# Altium PCB Audio_EDU_Mini_Rev1_0.PcbDoc (part 1 of 2)
Units mil, origin at the board's own origin, x right, y up, seen from the top; angles counter-clockwise.
Board outline 2027 x 2700 mil, 4 copper layers (Top Layer, Signal Layer 1, Signal Layer 2, Bottom Layer), stack 64.6 mil thick; 134 components, 88 nets, 470 pads, 185 vias.
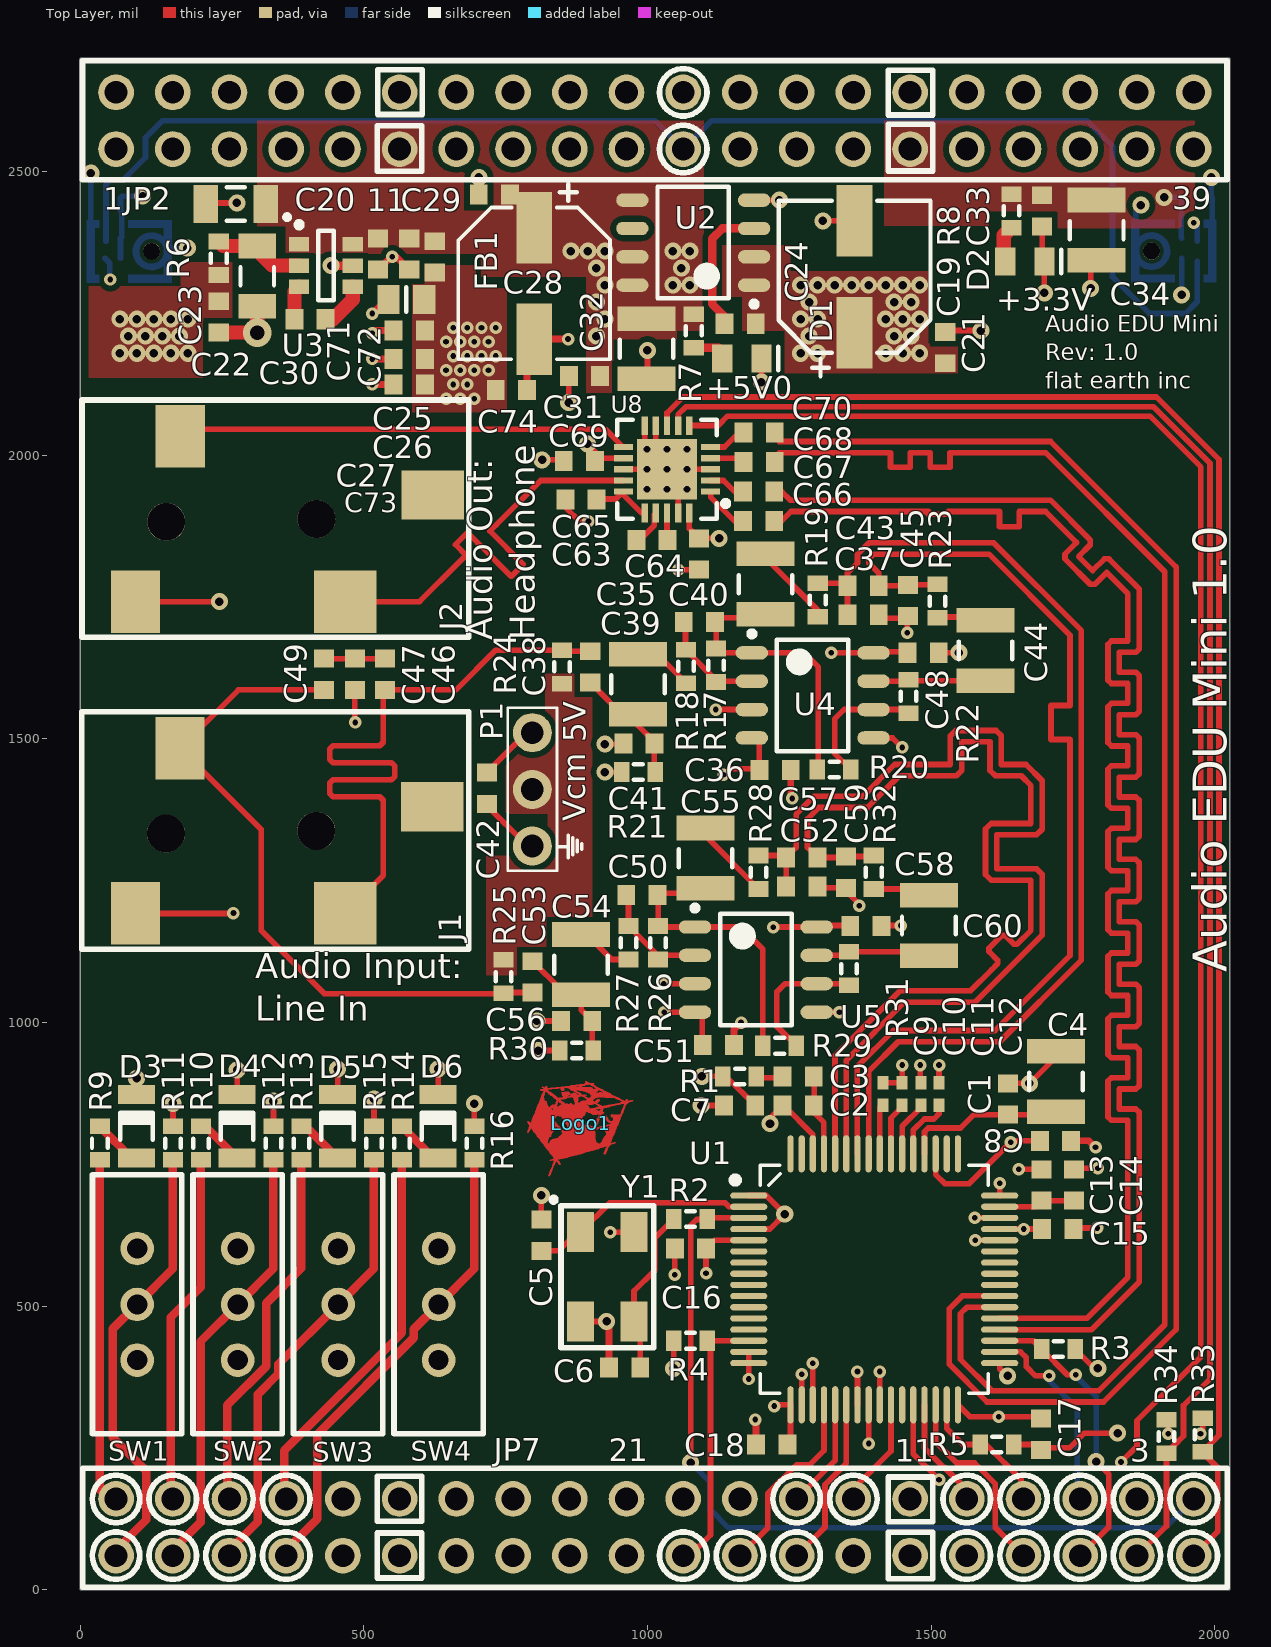
[diagram p0: Top Layer view]
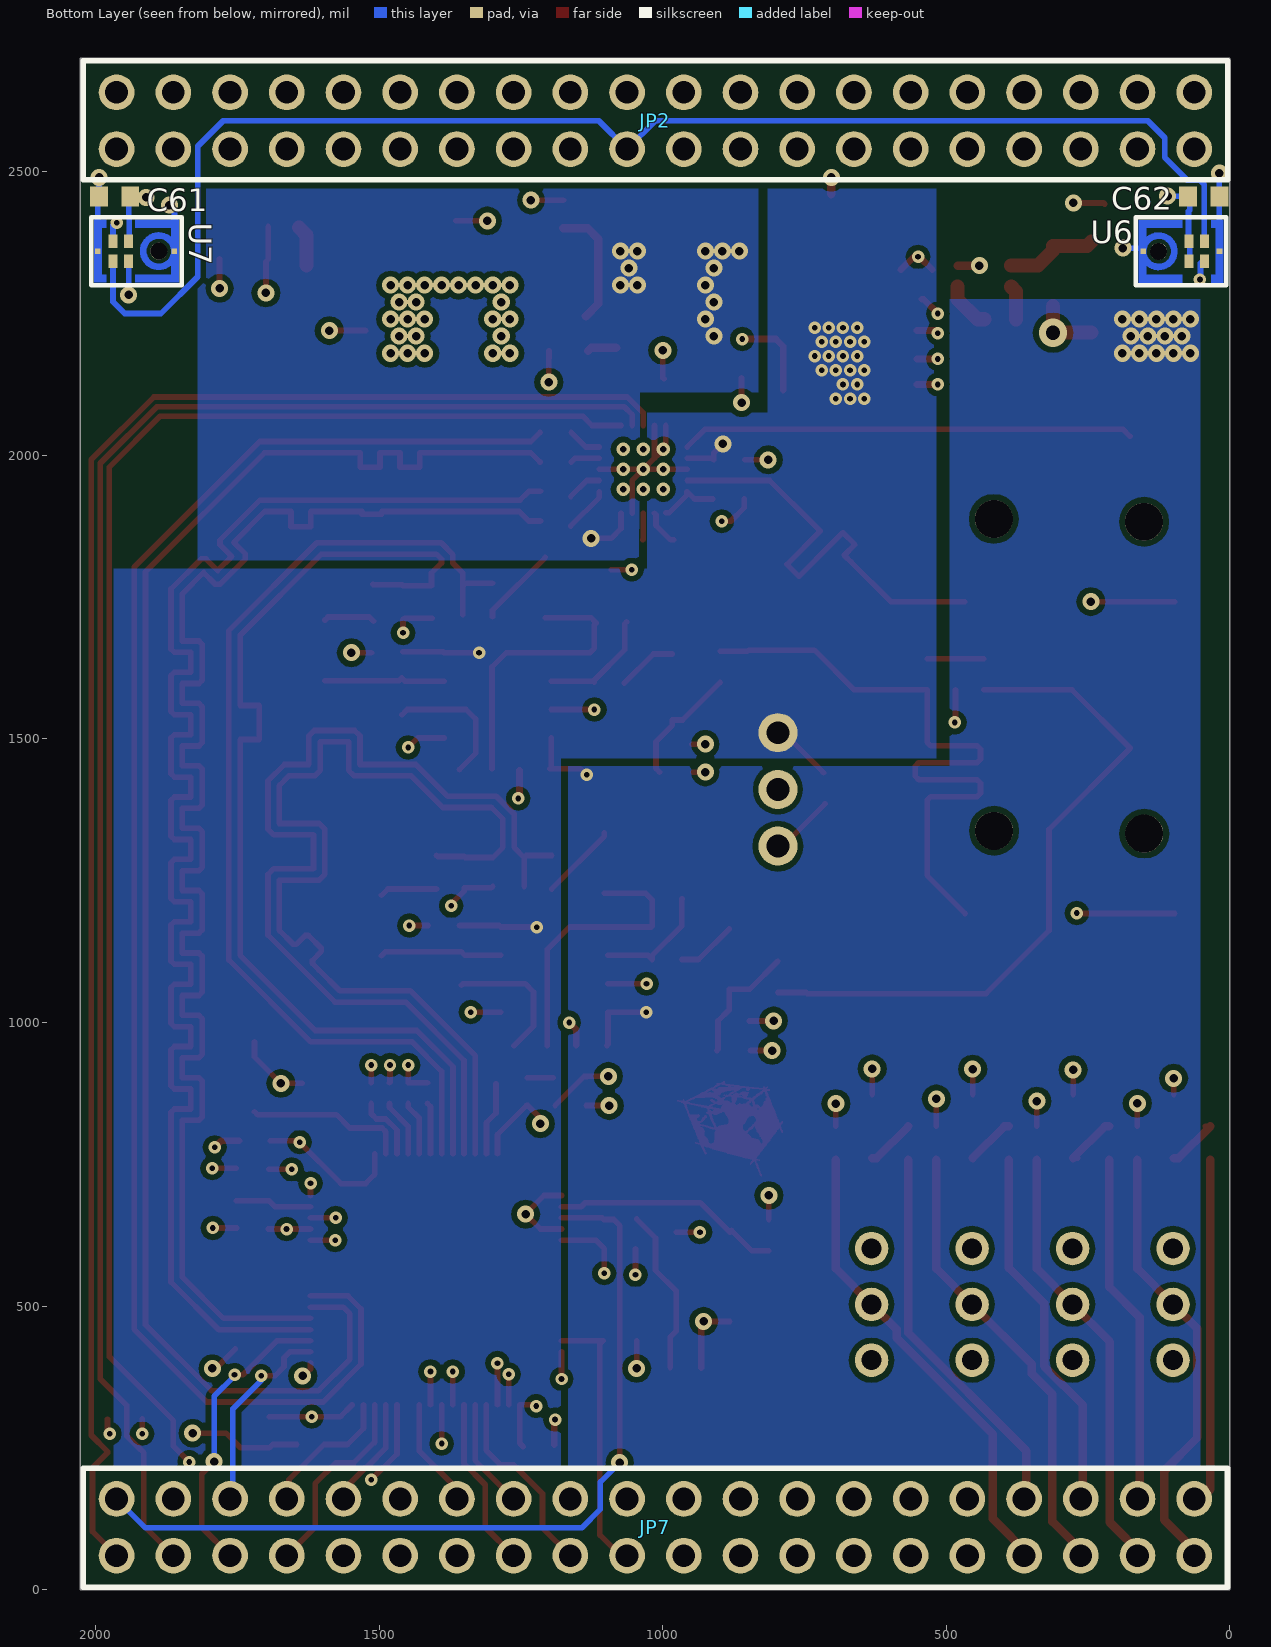
[diagram p1: Bottom Layer view, seen from below]
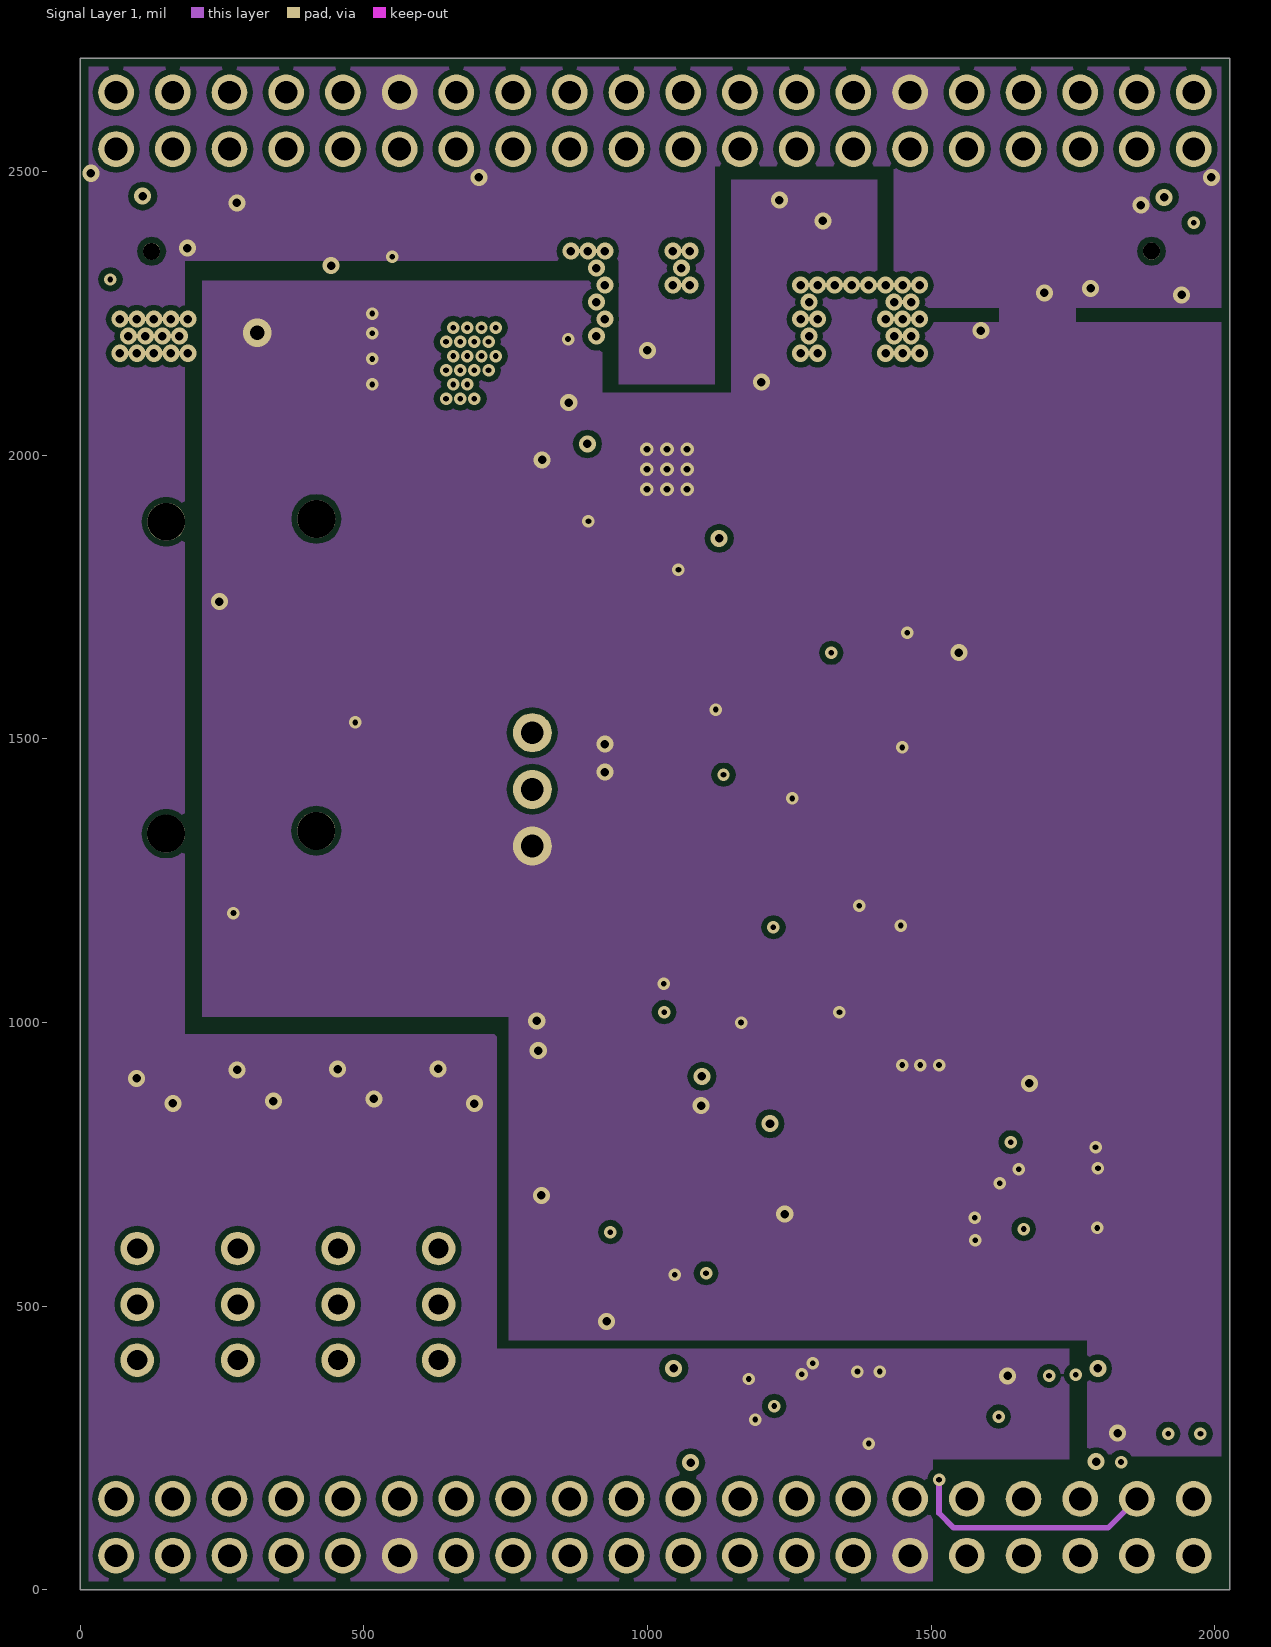
[diagram p2: Signal Layer 1]
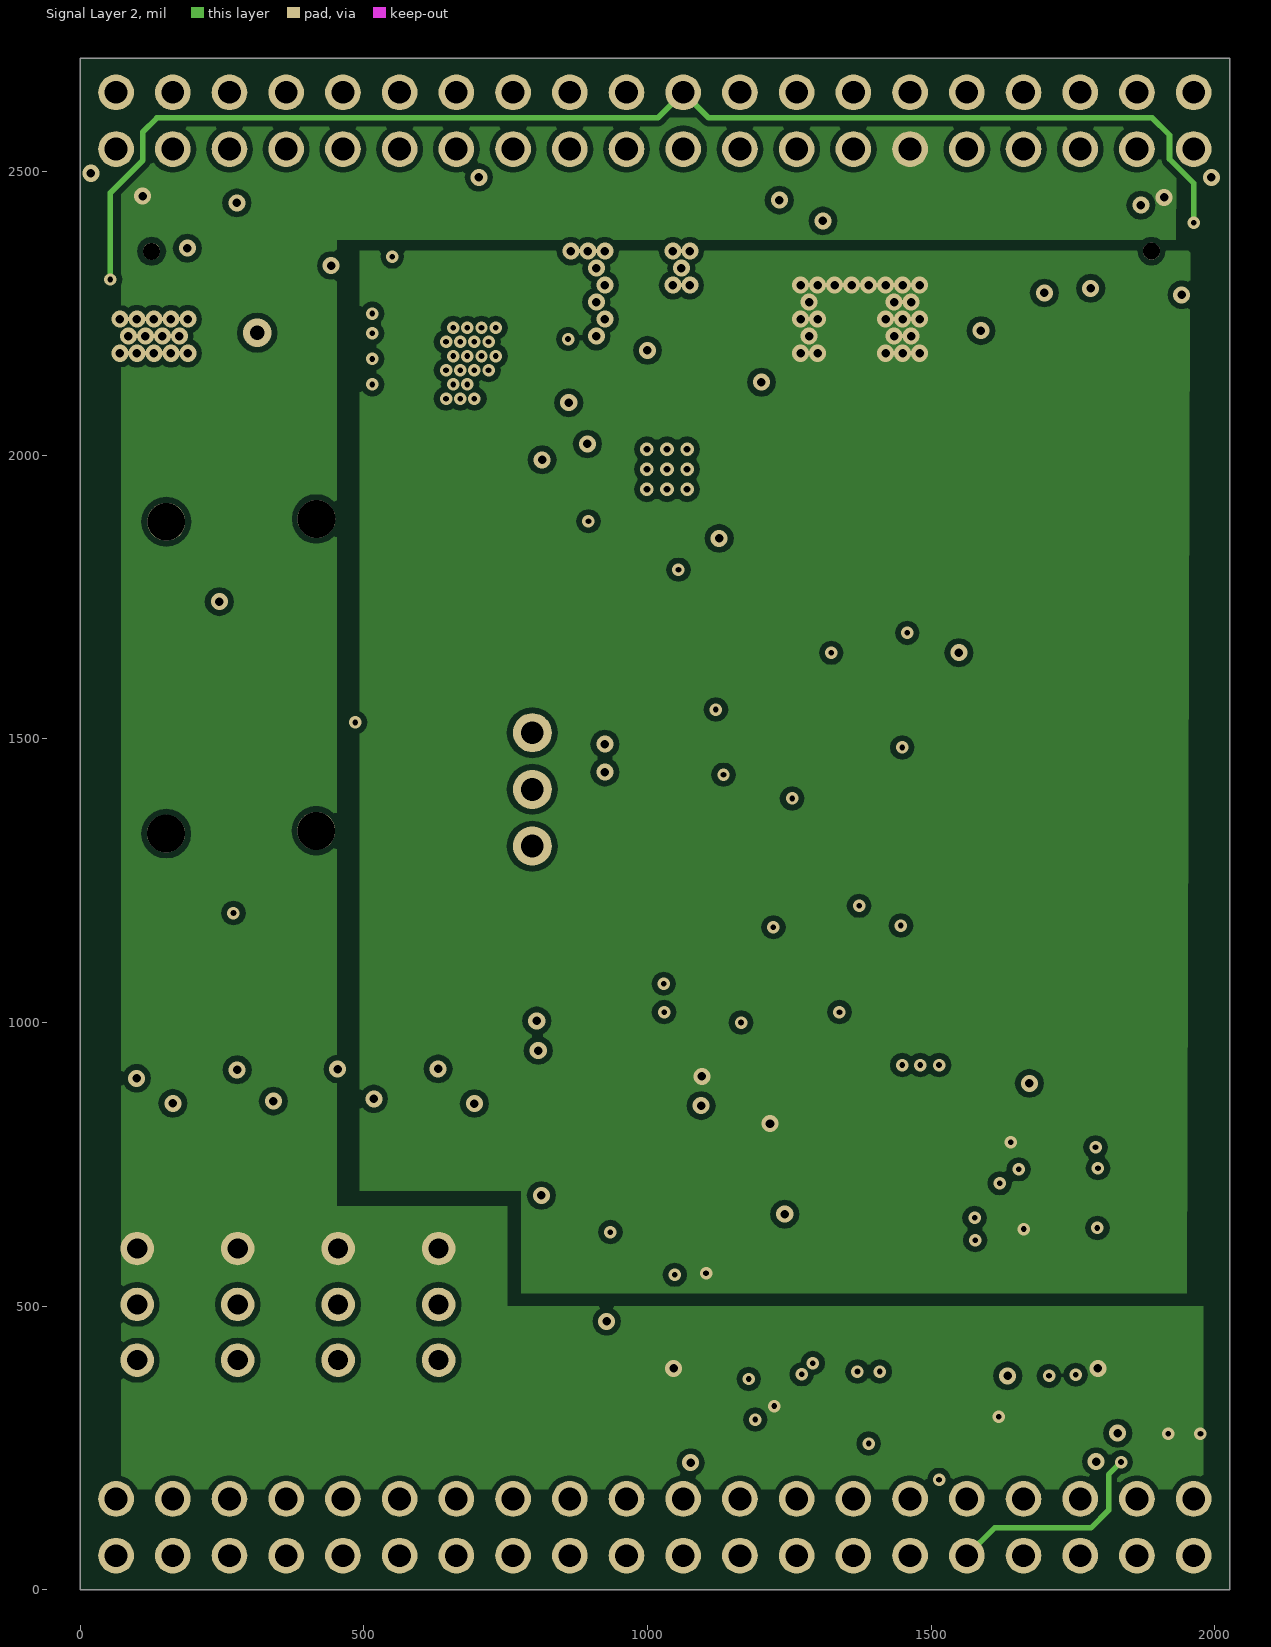
[diagram p3: Signal Layer 2]
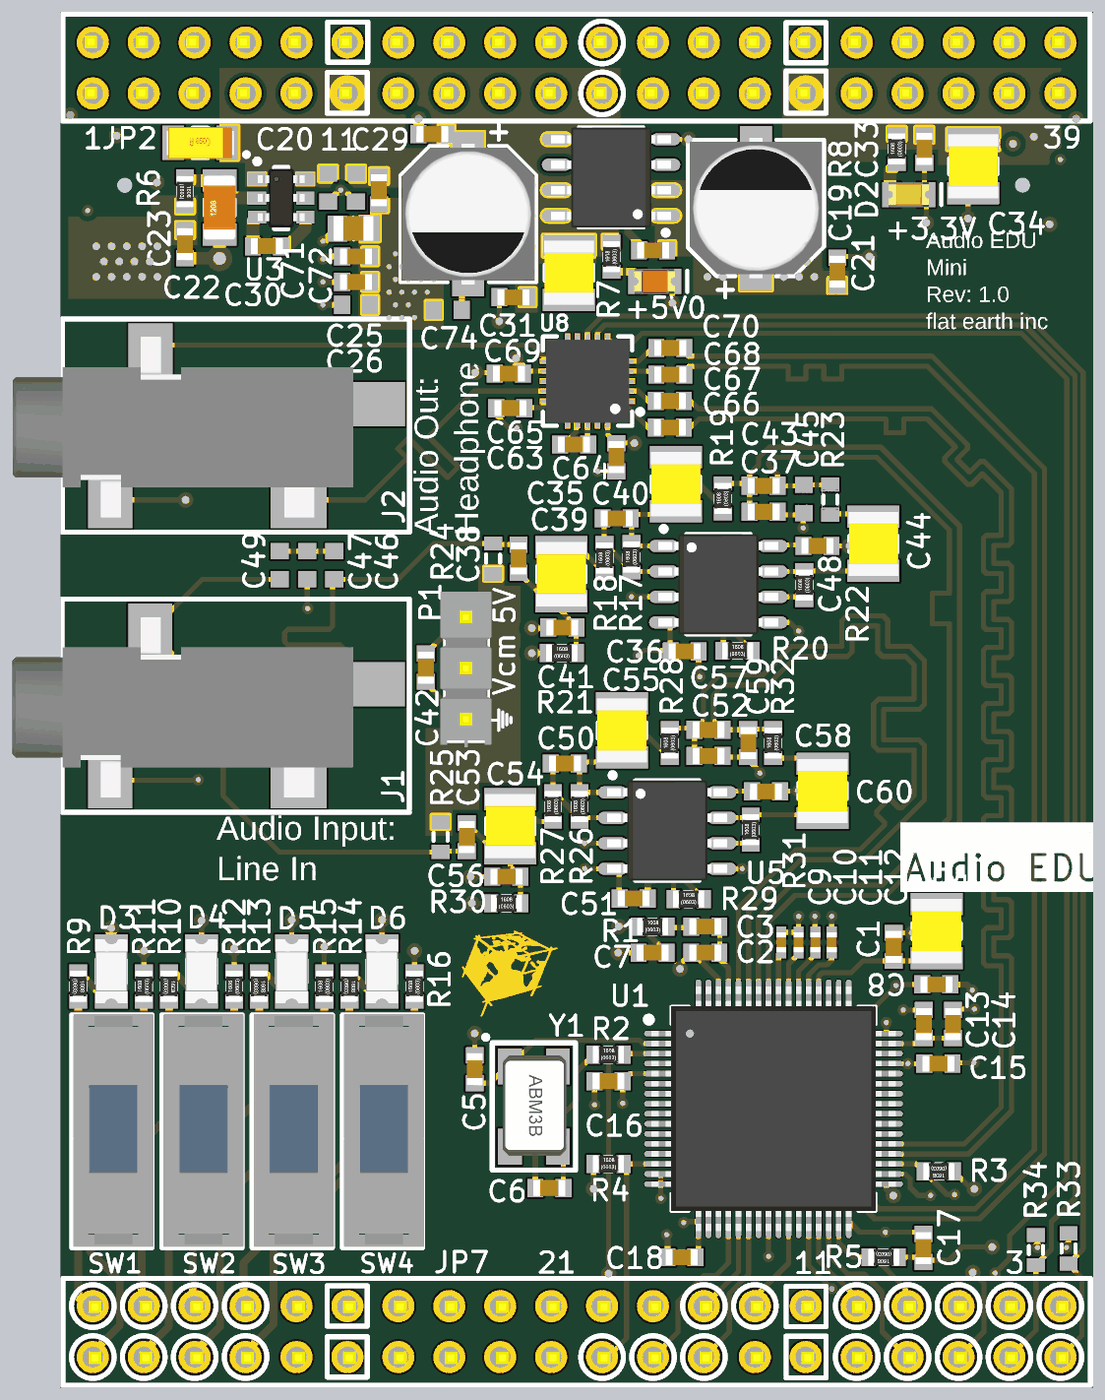
[diagram p5: 3D render of the assembled board from above, using the file's embedded part models]

## Layer stack, top to bottom
Top Solder: solder mask 1, Solder Resist, Dk 3.5
Top Layer: signal copper 1.4
Dielectric 1: core 6.7, FR-4, Dk 4.5
Signal Layer 1: signal copper 0.7
Dielectric 5: prepreg 47, Dk 4.2
Signal Layer 2: signal copper 0.7
Dielectric 4: core 6.7, FR-4, Dk 4.2
Bottom Layer: signal copper 1.4
Bottom Solder: solder mask 1, Solder Resist, Dk 3.5

## Board outline
0,0 2027,0 2027,2700 0,2700

## Design rules (kind name [scope] priority, off if disabled: settings)
BoardOutlineClearance [All] p1: gap=0 ignorepadtopadclearanceinfootprint=FALSE except(15: Poly-OutlineEdge Poly-CavityEdge Poly-CutoutEdge Poly-SplitBarrior Poly-SplitContinuation)
Clearance Clearance_Polygons [InPolygon] p1: gap=10 ignorepadtopadclearanceinfootprint=FALSE
Clearance "Same Differential Pair" [All] p2: gap=6 ignorepadtopadclearanceinfootprint=TRUE
Clearance "Differential Pairs" [All] p3: gap=6 ignorepadtopadclearanceinfootprint=TRUE
Clearance [All] p4: gap=6 ignorepadtopadclearanceinfootprint=TRUE
ComponentClearance [All] p1: gap=4 collisioncheckmode=3 verticalgap=10 showdistances=FALSE
DiffPairsRouting [All] p1: maxlimit=15 minlimit=6 mostfreqgap=10 toplayer_minwidth=6 toplayer_maxwidth=15 toplayer_prefwidth=10 midlayer1_minwidth=6 midlayer1_maxwidth=15 midlayer1_prefwidth=10 midlayer2_minwidth=6 midlayer2_maxwidth=15 midlayer2_prefwidth=10 bottomlayer_minwidth=6 bottomlayer_maxwidth=15 bottomlayer_prefwidth=10 maxuncoupledlength=700
HoleSize [All] p1: absolutevalues=TRUE maxlimit=130 minlimit=10 maxpercent=80.000 minpercent=20.000
HoleToHoleClearance [All] p1: gap=6 allowstackedmicrovias=TRUE
MatchedLengths "3.5mm Jack Out" [InNetClass('3.5mm Jack Out')] p1: tolerance=10 checknetsindiffpair=FALSE checkdiffpairvsdiffpair=TRUE checkxsignals=TRUE checkothers=TRUE
MatchedLengths "3.5mm Jack In" [InNetClass('3.5mm Jack In')] p2: tolerance=10 checknetsindiffpair=FALSE checkdiffpairvsdiffpair=TRUE checkxsignals=TRUE checkothers=TRUE
MatchedLengths "Differential Pair" [InDifferentialPair('HEADPHONE_OUT_L') or InDifferentialPair('HEADPHONE_OUT_R') or InDifferentialPair('LINE_IN_L') or InDifferentialPair('LINE_IN_R')] p3: tolerance=50 checknetsindiffpair=TRUE checkdiffpairvsdiffpair=FALSE checkxsignals=FALSE checkothers=FALSE
MatchedLengths "Line In Length" [InNetClass('LINE_IN')] p4: tolerance=50 checknetsindiffpair=FALSE checkdiffpairvsdiffpair=TRUE checkxsignals=TRUE checkothers=TRUE
MatchedLengths "Headphone Length" [InNetClass('Headphone')] p5: tolerance=50 checknetsindiffpair=FALSE checkdiffpairvsdiffpair=TRUE checkxsignals=TRUE checkothers=TRUE
MinimumAnnularRing [All] p1: minimumring=5
MinimumSolderMaskSliver [All] p1: minsoldermaskwidth=0
PlaneClearance [All] p1: clearance=25
PlaneConnect [All] p1: planeconnectstyle=Direct reliefexpansion=25 reliefentries=4 reliefconductorwidth=10 reliefairgap=10
PolygonConnect [All] p1: connectstyle=Direct reliefconductorwidth=10 reliefentries=4 polygonreliefangle="90 Angle" airgapwidth=10
RoutingVias [All] p1: holewidth=15 width=27 viastyle="Through Hole" minholewidth=10 minwidth=22 maxholewidth=30 maxwidth=50
ShortCircuit ShortCircuit_1 [HasFootprint('INMP621') vs InNet('AGND') And OnLayer('Bottom Layer')] p1: allowed=TRUE
ShortCircuit [All] p2: allowed=FALSE
SilkToSilkClearance [All] p1: silktosilkclearance=3
SilkToSolderMaskClearance [IsPad] p1: minsilkscreentomaskgap=2 clearancetoexposedcopper=TRUE
SolderMaskExpansion [All] p1: expansion=4 istentingtop=FALSE
Width Width_Logo [HasFootprint('feLogo_small')] p1: maxlimit=10 minlimit=2 preferedwidth=10
Width [All] p2: maxlimit=50 minlimit=6 preferedwidth=10
20 further rules are at their usual default settings.

## Classes and differential pairs
net class LINE_IN: LINE_IN_L_N LINE_IN_L_P LINE_IN_R_N LINE_IN_R_P
component class POWER: C19 C20 C21 C22 C23 C24 C25 C26 C27 C28 C29 C30 C31 C32 C33 C34 C71 C72 C73 C74 D1 D2 FB1 R6 R7 R8 U2 U3
component class "Connection Diagram": Logo1
component class "FPGA CONNECTORS": JP2 JP7
net class Headphone: HEADPHONE_OUT_L_N HEADPHONE_OUT_L_P HEADPHONE_OUT_R_N HEADPHONE_OUT_R_P
component class SUPPORT: D3 D4 D5 D6 R9 R10 R11 R12 R13 R14 R15 R16 SW1 SW2 SW3 SW4
component class "HEADPHONE OUTPUT": C63 C64 C65 C66 C67 C68 C69 C70 J2 R33 R34 U8
component class "3.5mm LINE IN": C35 C36 C37 C38 C39 C40 C41 C42 C43 C44 C45 C46 C47 C48 C49 C50 C51 C52 C53 C54 C55 C56 C57 C58 C59 C60 C78 J1 P1 R17 R18 R19 R20 R21 R22 R23 R24 R25 R26 R27 R28 R29 R30 R31 R32 R39 R46 R47 U4 U5
component class "DIGITAL MICROPHONES*": C61 C62 U6 U7
component class "AUDIO CODEC": C1 C2 C3 C4 C5 C6 C7 C8 C9 C10 C11 C12 C13 C14 C15 C16 C17 C18 R1 R2 R3 R4 R5 U1 Y1
differential pair LINE_IN_R: +LINE_IN_R_P -LINE_IN_R_N
differential pair LINE_IN_L: +LINE_IN_L_P -LINE_IN_L_N
differential pair HEADPHONE_OUT_R: +HEADPHONE_OUT_R_P -HEADPHONE_OUT_R_N
differential pair HEADPHONE_OUT_L: +HEADPHONE_OUT_L_P -HEADPHONE_OUT_L_N

## Components (designator, comment, footprint, x,y, rotation, side; value= is the part's Value field where it differs from the comment)
C1 "CGA3E2X7R1E104K080AA" 3-0603_L 1635.7,865.13 r270 top
C2 "CL10B391KB8NNNC" 3-0603_L 1265.68,853.55 r0 top
C3 "CL10B562KB8SFNC" 3-0603_L 1265.68,904.73 r0 top
C4 "GRM32EC81C476KE15L" C1210X25_L 1720,896 r90 top
C5 "CGA3E2C0G1H220J080AA" 3-0603_L 812.94,625 r270 top
C6 "CGA3E2C0G1H220J080AA" 3-0603_L 959.6,391.73 r0 top
C7 "CGA3E2X7R1E104K080AA" 3-0603_L 1162.34,853.55 r180 top
C8 "CGA3E2X7R1E104K080AA" 3-0603_L 1719.44,791.34 r180 top
C9 "CGA2B3X7R1H104K050BB" 2-0402_L 1415,874 r90 top
C10 "CGA2B3X7R1H104K050BB" 2-0402_L 1449,874 r90 top
C11 "CGA2B3X7R1H104K050BB" 2-0402_L 1482,874 r90 top
C12 "CGA2B3X7R1H104K050BB" 2-0402_L 1514,874 r90 top
C13 "CGA3E2X7R1E104K080AA" 3-0603_L 1694.84,713.59 r270 top
C14 "C1608X5R1A106K" 3-0603_L 1751.93,713.59 r270 top
C15 "CGA3E2X7R1E104K080AA" 3-0603_L 1723.38,635.83 r0 top
C16 "CGA3E2X7R1E104K080AA" 3-0603_L 1075.74,601.38 r180 top
C17 "CGA3E2X7R1E104K080AA" 3-0603_L 1694,274 r90 top
C18 "CGA3E2X7R1E104K080AA" 3-0603_L 1219,256 r180 top
C19 "EEE-FT1H470AP" ALUMCAPC630D_D 1365.11,2314.96 r90 top
C20 "TPSA106K010R0900" C1206_TANT 274,2443 r180 top
C21 "CGA3E2X7R1E104K080AA" 3-0603_L 1525,2190 r90 top
C22 "C3216X6S1C226M" C1206 311.96,2315.94 r90 top
C23 "C1608X5R1A106K" 3-0603_L 244.05,2244.09 r90 top
C24 "C1608X7R2A103K080AA" 3-0603_L 1163.34,2232.08 r180 top
C25 "CL21A226KPCLRNC" 6-0805_L 575,2275 r0 top
C26 "C0603C103J5RACTU" 3-0603_L 580,2220 r0 top
C27 "CGA3E2X7R1E104K080AA" 3-0603_L 580,2170 r180 top
C28 "EEE-FT1H470AP" ALUMCAPC630D_D 800.15,2303.15 r270 top
C29 "CGA3E2X7R1E104K080AA" 3-0603_L 730,2460 r180 top
C30 "CGA3E2X7R1E104K080AA" 3-0603_L 405,2240 r180 top
C31 "C1608X5R1A106K" 3-0603_L 889,2140 r0 top
C32 "CL32X107MQVNNNE" C1210X25_L 997.98,2187.99 r90 top
C33 "C1608X5R1A106K" 3-0603_L 1695.82,2431.1 r90 top
C34 "CL32X107MQVNNNE" C1210X25_L 1792,2397 r90 top
C35 "CL10C121JB8NCNC" 3-0603_L 1091.6,1706.15 r0 top
C36 "CGA3E2X7R1E104K080AA" 3-0603_L 1225,1445 r180 top
C37 "CL10B102KB8NNNC" 3-0603_L 1380.27,1718.99 r180 top
C38 "CGA3E1X7R1C105M080AC" 3-0603_L 899,1627 r270 top
C39 "GRM32EC81C476KE15L" C1210X25_L 983.22,1596.46 r90 top
C40 "GRM32EC81C476KE15L" C1210X25_L 1208,1773 r90 top
C41 "C1608C0G2A101J" 3-0603_L 985.01,1491.75 r180 top
C42 "CGA3E2X7R1E104K080AA" 3-0603_L 717,1413 r90 top
C43 "C1608C0G2A101J" 3-0603_L 1380.27,1769.99 r180 top
C44 "GRM32EC81C476KE15L" C1210X25_L 1596,1656 r90 top
C45 "CL10B102KB8NNNC" 3-0603_L 1459.27,1743.99 r90 top
C46 "C1608C0G1H102J" 3-0603_L_DNP 537,1614 r270 top
C47 "C1608C0G1H102J" 3-0603_L_DNP 484,1614 r270 top
C48 "CGA3E2X7R1E104K080AA" 3-0603_L 1486,1652 r180 top
C49 "C1608C0G1H102J" 3-0603_L_DNP 430,1614 r90 top
C50 "CL10C121JB8NCNC" 3-0603_L 990,1225 r180 top
C51 "CGA3E2X7R1E104K080AA" 3-0603_L 1125,960 r180 top
C52 "CL10B102KB8NNNC" 3-0603_L 1272.01,1239.75 r180 top
C53 "CGA3E1X7R1C105M080AC" 3-0603_L 797.3,1080.52 r90 top
C54 "GRM32EC81C476KE15L" C1210X25_L 883,1102 r90 top
C55 "GRM32EC81C476KE15L" C1210X25_L 1102,1289.85 r90 top